# Altium PCB AutoDoor_App.PcbDoc
Units mil, origin at the board's own origin, x right, y up, seen from the top; angles counter-clockwise.
Board outline 5115.51 x 3965.02 mil, 2 copper layers (Top Layer, Bottom Layer); 41 components, 29 nets, 160 pads, 17 vias.
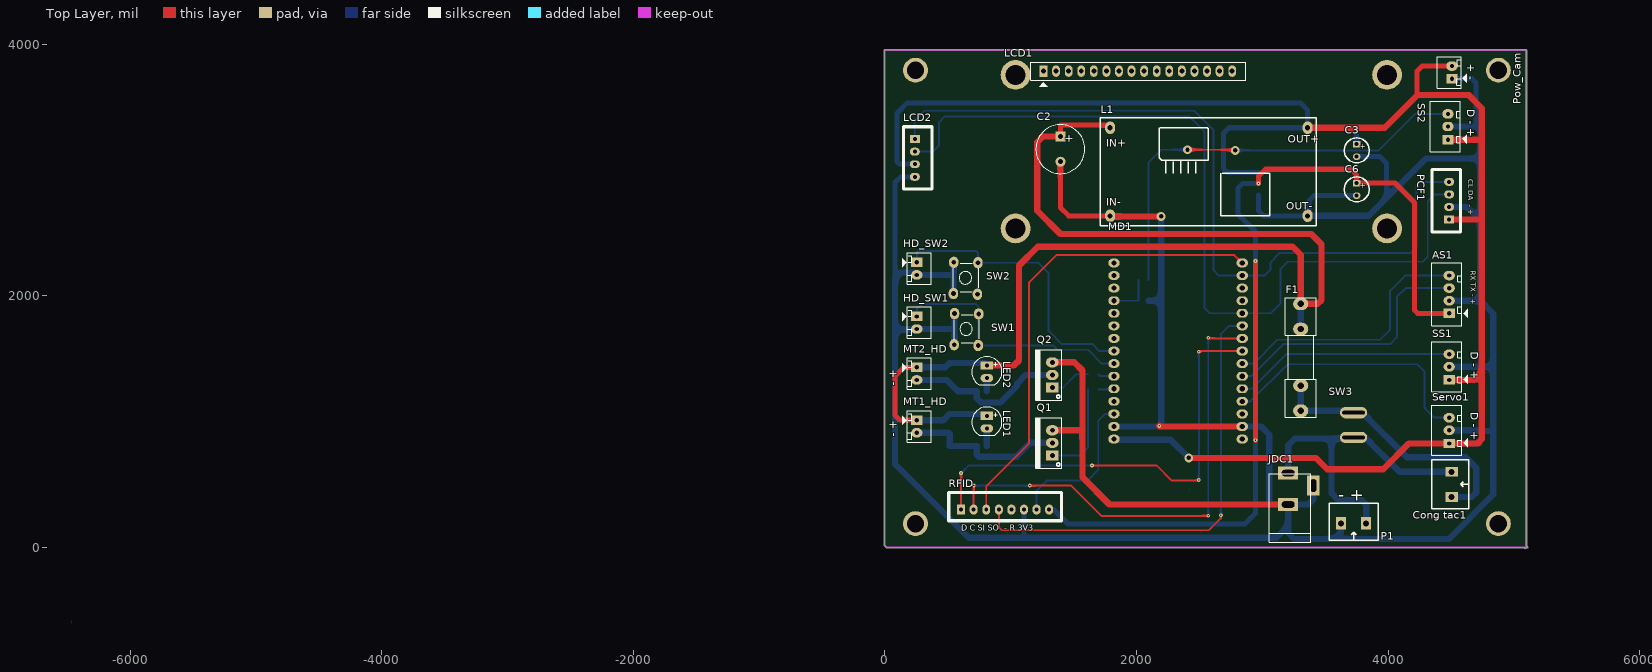
[diagram p0: Top Layer view]
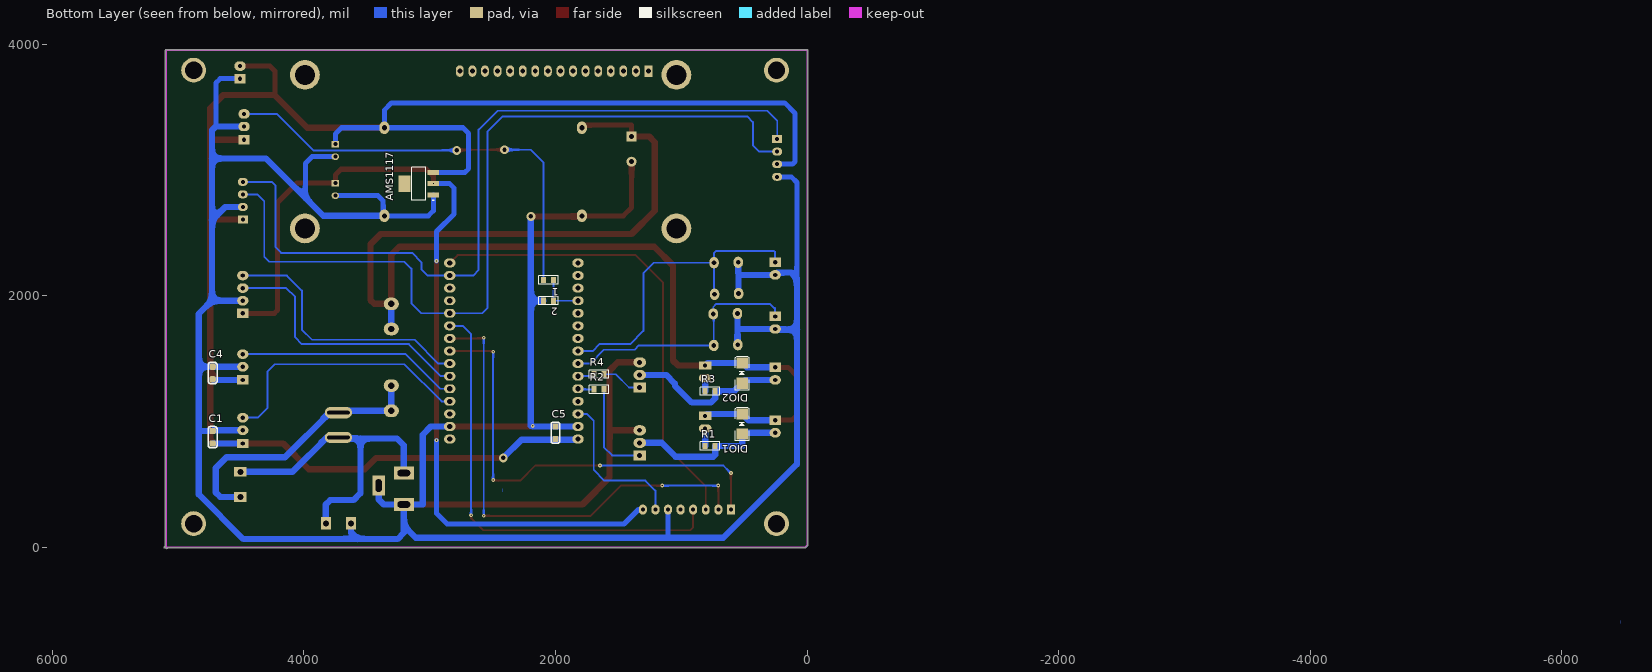
[diagram p1: Bottom Layer view, seen from below]
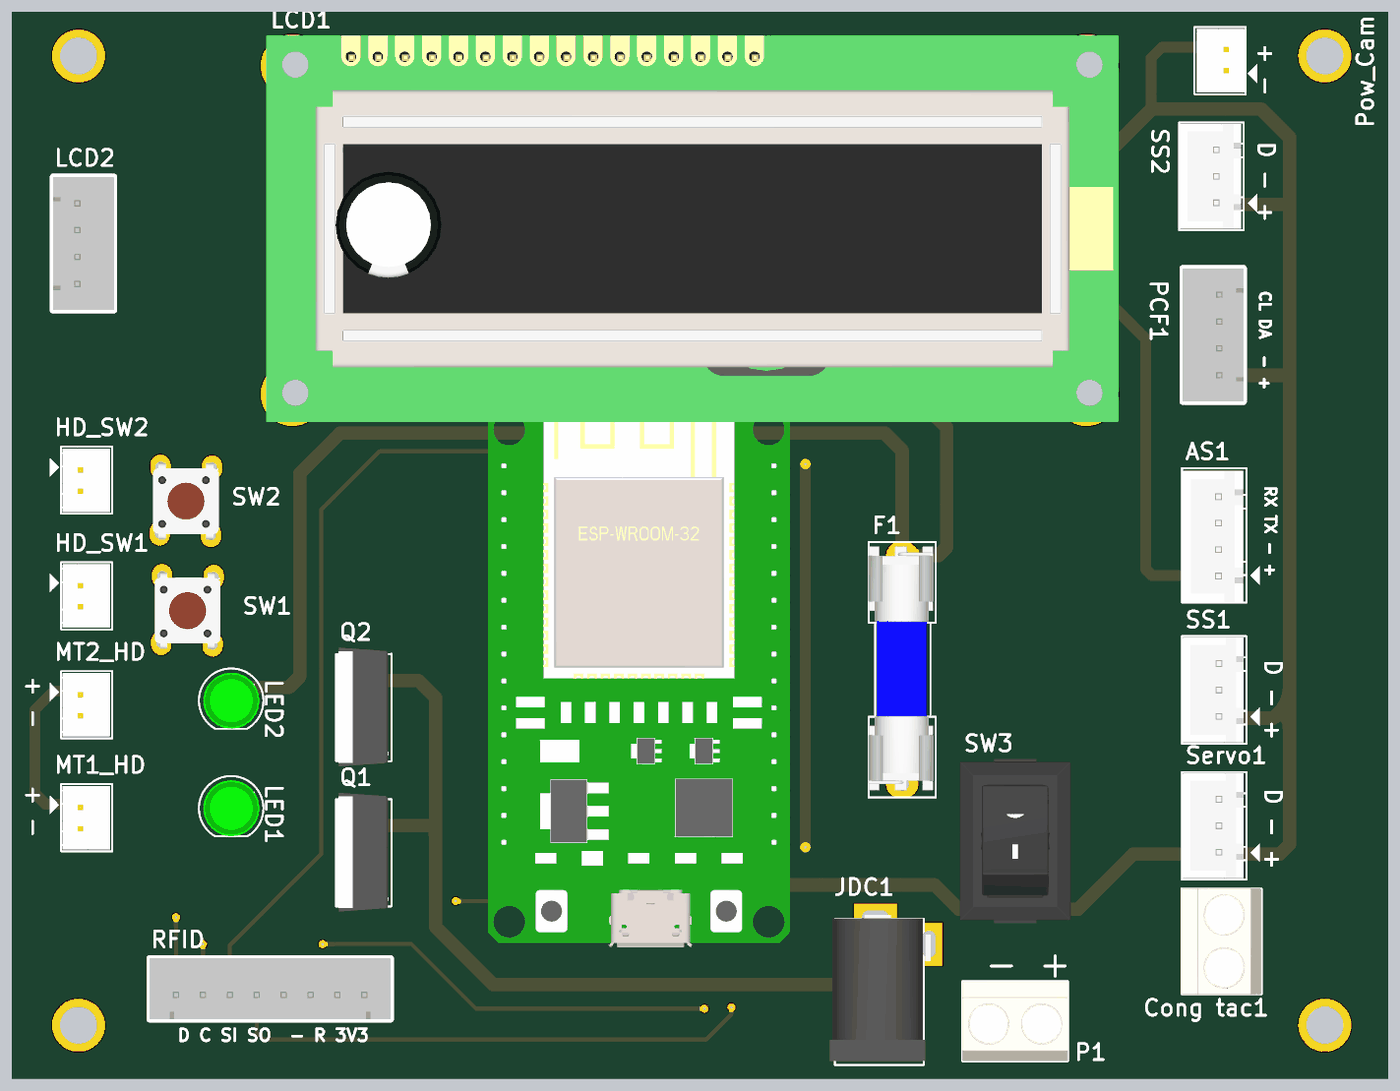
[diagram p2: 3D render of the assembled board from above, using the file's embedded part models]
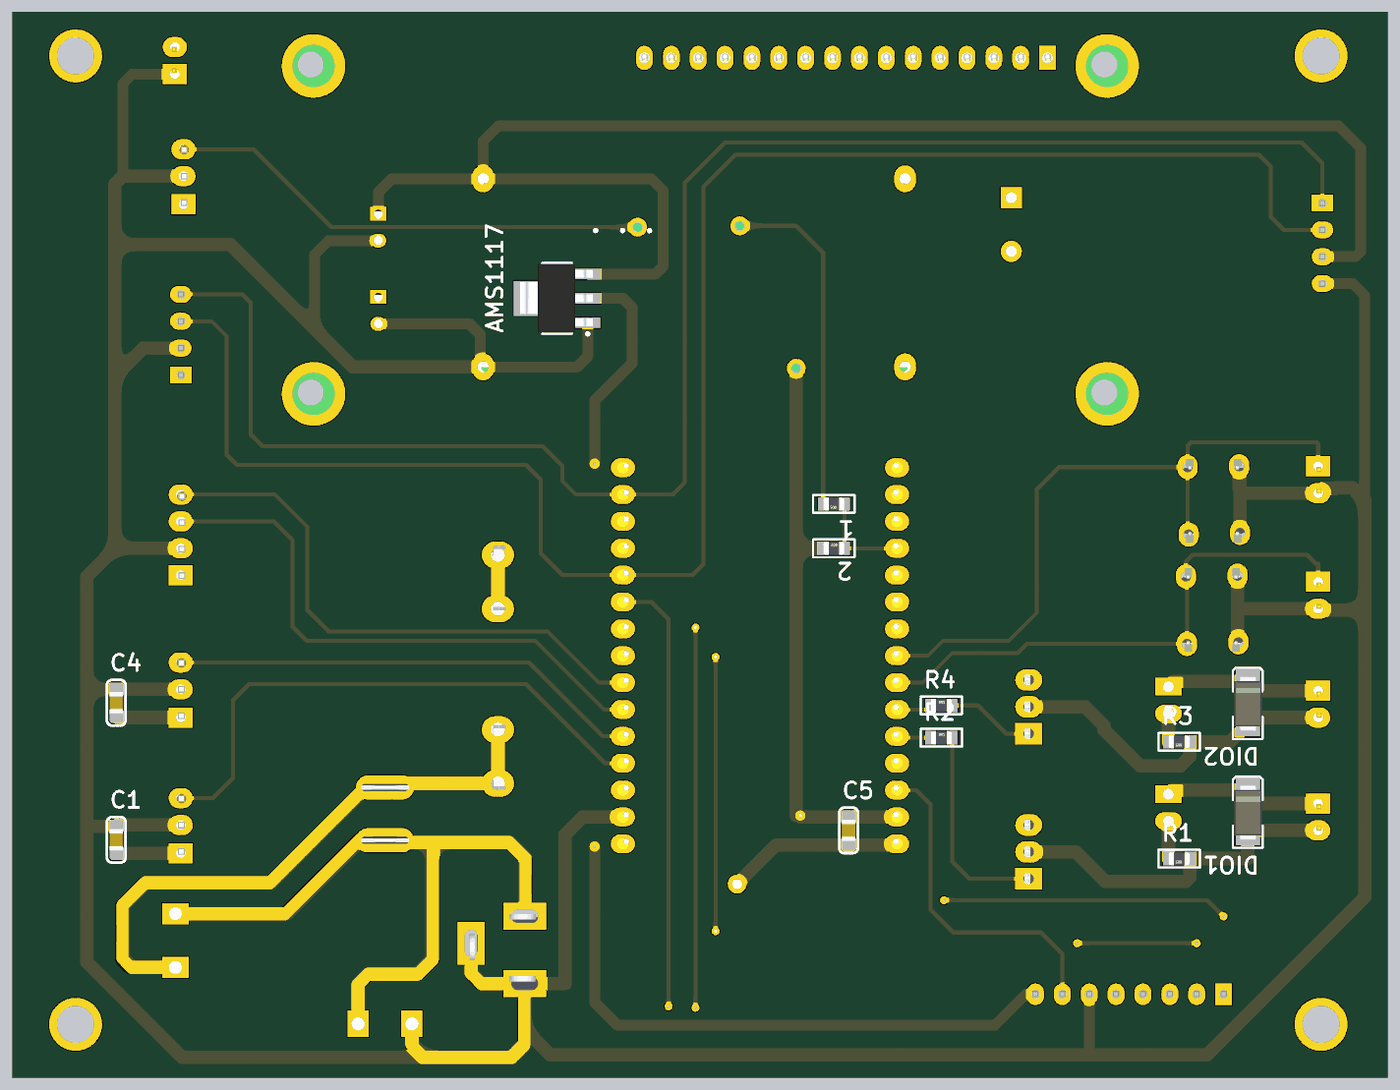
[diagram p3: 3D render of the assembled board from below, using the file's embedded part models]

## Layer stack, top to bottom
Top Solder: solder mask 0.4, Solder Resist, Dk 3.5
Top Layer: signal copper 1.4
Dielectric 1: dielectric 12.6, FR-4, Dk 4.8
Bottom Layer: signal copper 1.4
Bottom Solder: solder mask 0.4, Solder Resist, Dk 3.5

## Board outline
-4.02,11.93 11.45,-3.55 11.44,-3.53 ccw(c15,0) 15,-5.01 5084.99,-5.01 ccw(c5090,-5) 5093.55,-8.55 5097.08,-5.01 5105,-5.01 ccw(c5105,0) 5110.01,0 ccw(c5105,0) 5105,5.01 5100.01,5.01 5100.01,3950 ccw(c5095,3950) 5095,3955.02 0.48,3955.02 ccw(c0.48,3950) 0,3954.99 ccw(c-0.48,3950) -5.49,3950 -5.49,15.48 ccw(c-0.48,15.48)

## Design rules (kind name [scope] priority, off if disabled: settings)
Clearance [All] p1: gap=15 ignorepadtopadclearanceinfootprint=FALSE
PolygonConnect [All] p1: connectstyle=Relief reliefconductorwidth=10 reliefentries=4 polygonreliefangle="90 Angle" airgapwidth=10
RoomDefinition AutoDoor_App [InComponentClass('AutoDoor_App')] p1: confinementstyle=ConfineIn formatcopy=TRUE lockcomponents=FALSE outline -1435,-2043.5 565,-2043.5 565,-1043.5 -1435,-1043.5
RoutingVias [All] p1: holewidth=10 width=30 viastyle="Through Hole" minholewidth=10 minwidth=30 maxholewidth=10 maxwidth=30
SilkToSilkClearance [IsText] p1: silktosilkclearance=10
SolderMaskExpansion [All] p1: expansion=4
Width [All] p1: maxlimit=50 minlimit=15 preferedwidth=40
29 further rules are at their usual default settings.

## Components (designator, comment, footprint, x,y, rotation, side; value= is the part's Value field where it differs from the comment)
1 "2k2" "DIEN TRO 0805" 2055,2125 r180 bottom
2 "3k3" "DIEN TRO 0805" 2055,1960 r0 bottom
AMS1117 "LM1117" SOT223-4N 3085,2890 r0 bottom value=LM317
AS1 "Header4" Header4 4485,1860 r90 top
C1 "approved sub OK" CAP_0805 4725,875 r270 bottom value="104 / 0.1uF"
C2 "1000uF/16V" C10mm 1395,3165 r270 top
C3 "100uF/16v" C5mm 3750,3155 r270 top
C4 "approved sub OK" CAP_0805 4725,1385 r270 bottom value="104 / 0.1uF"
C5 "approved sub OK" CAP_0805 2000,910 r270 bottom value="104 / 0.1uF"
C6 "100uF/16v" C5mm 3750,2845 r270 top
"Cong tac1" "Header 2 - M" "Medium - Header 2" 4505,500 r270 top
DIO1 "M7" DIO-SMD-106 515,980 r270 bottom value=1N5007
DIO2 "M7" DIO-SMD-106 515,1385 r270 bottom value=1N5007
F1 "F3A" Fuse 3305,1510 r90 top value=Fuse
HD_SW1 "Header2" Header2 253,1835 r270 top
HD_SW2 "Header2" Header2 253,2265 r270 top
JDC1 "Jac DC" DC-IN 3305,465 r90 top
L1 "BUCK_LM2596" BUCK_LM2596 2560,3015 r0 top locked
LCD1 "LCD 16x2" LCD16X2N 1260,3785 r0 top locked
LCD2 "Header4" XH2.54M-4 236.98,3245 r270 top
LED1 "LED" "LED-5 GRe" 810,1045 r270 top value="LED 3 ly Single Colour"
LED2 "LED" "LED-5 GRe" 810,1445 r270 top value="LED 3 ly Single Colour"
MD1 "module esp32 30p" "module esp32 30 pin" 2330,1440 r90 top locked
MT1_HD "Header2" Header2 253,1010 r270 top
MT2_HD "Header2" Header2 253,1430 r270 top
P1 "Header 2 - M" "Medium - Header 2" 3725,190 r180 top
PCF1 "Header4" XH2.54M-4 4485,2605 r90 top
Pow_Cam "Header2" Header2 4507,3725 r90 top
Q1 "TIP122" QTO-220 1330,730 r90 top
Q2 "TIP122" QTO-220 1330,1270 r90 top
R1 "3.3K" "DIEN TRO 0805" 770,805 r180 bottom
R2 "1k" "DIEN TRO 0805" 1655,1255 r0 bottom
R3 "3.3K" "DIEN TRO 0805" 770,1240 r180 bottom
R4 "1k" "DIEN TRO 0805" 1655,1375 r0 bottom
RFID "Header 8P 2.54 Duc Thang" XH2.54M-8 605,300 r0 top
Servo1 "Header3" Header3 4485,830 r90 top
SS1 "Header3" Header3 4485,1335 r90 top
SS2 "Header3" Header3 4475,3245 r90 top
SW1 "SW" SW4 550,1610 r90 top value="Button chip 4 pin"
SW2 "SW" SW4 544,2017 r90 top locked value="Button chip 4 pin"
SW3 "KCD01-11_SWITCH" KCD01-11 3724.98,873.14 r180 top locked

## Footprints (in the part's own frame and the unit in brackets; to place one, negate y for a bottom-side part, rotate by r counter-clockwise, add the part's x,y. Pads: shape width x height; smd on the part's side, far side on the other; paste and mask are expansions set on the pad)
BUCK_LM2596 [mil]
  oval 80x100 hole 40: 1(-770,320) 2(-770,-380) 3(800,-380) 4(800,320)
  silkscreen extent -850,-460 870,400, body extent -843,-460 870,367, height 519
C5mm [mm]
  rect 1.3x1.5 hole 0.8: 1(-1.27,0)
  oval 1.3x1.5 hole 0.8: 2(1.27,0)
  silkscreen extent -2.51,-2.51 2.51,2.51, body extent -2.5,-2.5 2.49,2.5, height 11.01
C10mm [mm]
  rect 2x2 hole 1: 1(-2.54,0)
  round 2 hole 1: 2(2.54,0)
  silkscreen extent -4.95,-4.96 4.93,4.92, body extent -5,-5 4.97,5, height 20.01
CAP_0805 [mil]
  rrect50% 50x50 smd: 1(-50,0) 2(50,0)
  silkscreen extent -85,-35 85,35, body extent -40,-25 40,25, height 24
DC-IN [mil] "Jac DC input"
  rect 100x160 hole 50 slot 100 at 90 deg: 1(125,100) 2(-125,100)
  rect 160x100 hole 50 slot 100 at 0 deg: 3(25,-100)
  silkscreen extent -425,-80 120,250, body extent -410,-105 134,269, height 434
"DIEN TRO 0805" [mil] "Chip Resistor; Body 2.0 x 1.3 mm (LxW typ)"
  rect 39.37x50 smd: 1(-40,0) 2(40,0)
  silkscreen extent -77,-33 77,33, body extent -39,-25 39,25, height 31
DIO-SMD-106 [mil]
  rect 90x90.55 smd: 1(80,0) 2(-80,0)
  silkscreen extent -130,-55 135,55, body extent -99,-50 106,52, height 95
Fuse [mil] "De Fuse"
  oval 100x120 hole 50: 1(-425,0) 1(-225,0) 2(225,0) 2(425,0)
  silkscreen extent -475,-125 475,125, body extent -448,-117 459,127, height 378
Header2 [mil] "CON2"
  rect 75x90 hole 34: 1(0,0)
  oval 75x90 hole 34: 2(100,0)
  silkscreen extent -75,-118 175,115, body extent -68,-70 168,107, height 236
Header3 [mil] "CON 3"
  rect 75x90 hole 34: 1(-5,0)
  oval 75x90 hole 34: 2(100,0) 3(200,0)
  silkscreen extent -100,-150 300,140, body extent -95,-90 295,136, height 276
Header4 [mil] "CON4"
  rect 75x90 hole 34: 1(0,0)
  oval 75x90 hole 34: 2(100,0) 3(200,0) 4(300,0)
  silkscreen extent -100,-150 400,140, body extent -98,-88 390,138, height 276
KCD01-11 [mm]
  oval 5.5x2.286 hole 0.7 slot 4.5 at 0 deg: 1(0,0) 2(0,-5)
  body extent -5.25,-7.75 5.25,7.75, height 14.07
LCD16X2N [mil] "LCD dipslay 16x2, 16 pin"
  rect 62x90 hole 39: 1(0,0)
  oval 62x90 hole 39: 2(100,0) 3(200,0) 4(300,0) 5(400,0) 6(500,0) 7(600,0) 8(700,0) 9(800,0) 10(900,0) 11(1000,0) 12(1100,0) 13(1200,0) 14(1300,0) 15(1400,0) 16(1500,0)
  silkscreen extent -100,-125 1608,70, body extent -320,-1353 2850,84, height 764
"LED-5 GRe" [mil] "LED 2 PIN, 5 ly , Only colour,pin to pin 100mil"
  rect 65x100 hole 32: 1(0,0)
  oval 65x100 hole 32: 2(100,0)
  silkscreen extent -70,-120 154,120, body extent -54,-104 154,105, height 337
"Medium - Header 2" [mm]
  rect 2x2.5 hole 1.2: 1(-2.54,0) 2(2.54,0)
  silkscreen extent -4.95,-4.08 4.95,3.43, body extent -5,-4.07 5,3.43, height 10
"module esp32 30 pin" [mil]
  oval 70x90 hole 40.94: 1(-580,-510) 2(-480,-510) 3(-380,-510) 4(-280,-510) 5(-180,-510) 6(-80,-510) 7(20,-510) 8(120,-510) 9(220,-510) 10(320,-510) 11(420,-510) 12(520,-510) 13(620,-510) 14(720,-510) 15(820,-510) 16(-580,510) 17(-480,510) 18(-380,510) 19(-280,510) 20(-180,510) 21(-80,510) 22(20,510) 23(120,510) 24(220,510) 25(320,510) 26(420,510) 27(520,510) 28(620,510) 29(720,510) 30(820,510)
  body extent -979,-562 1049,565, height 375
QTO-220 [mil] "TO-220 - 1-2-3"
  rect 80x100 hole 39: 1(0,0)
  oval 80x100 hole 39: 2(100,0) 3(200,0)
  silkscreen extent -100,-76 300,130, body extent -119,-64 322,121, height 755
SOT223-4N [mm] "SOT223, 4-Leads, Body 6.5x3.5mm, Pitch 2.3mm, Lead Span 7mm, IPC Medium Density"
  rect 2.4x1 smd: 1(-2.9,2.3) 2(-2.9,0) 3(-2.9,-2.3)
  rect 2.4x3.3 smd: 4(2.9,0)
  silkscreen extent -3.02,-3.35 1.4,3.47, body extent -3.39,-3.27 3.5,3.23, height 1.72
SW4 [mil] "SW button 4pin, 250 x250 mil"
  oval 90x75 hole 38: 1(0,0) 2(245,-195) 3(248,-3) 4(-6,-191)
  silkscreen extent 15,-215 240,0, body extent -36,-220 276,24, height 276
XH2.54M-4 [mm]
  rect 1.6x2.032 hole 0.8: 1(0,0)
  oval 1.6x2.032 hole 0.8: 2(2.54,0) 3(5.08,0) 4(7.62,0)
  silkscreen extent -2.48,-2.26 10.1,3.46, body extent -2.48,-2.26 10.1,3.48, height 6.91
XH2.54M-8 [mm]
  rect 1.6x2.032 hole 0.8: 1(0,0)
  oval 1.6x2.032 hole 0.8: 2(2.54,0) 3(5.08,0) 4(7.62,0) 5(10.16,0) 6(12.7,0) 7(15.24,0) 8(17.78,0)
  silkscreen extent -2.48,-2.26 20.26,3.46, body extent -2.48,-2.26 20.26,3.48, height 6.91

## Part data
1 2 R1 R2 R3 R4: library part R0805, "Resistor SMD 0805", LatestRevisionDate=17-Jul-2002, LatestRevisionNote="Re-released for DXP Platform.", PackageReference=AXIAL-0.4, Published=8-Jun-2000, Publisher="Altium Limited"
AMS1117: "3v3"
AS1 LCD2 PCF1: "Header IDC, 4 x 1 Pin Vertical 2.54mm Pitch (Non-Boxed, Male)", Manufacturer="Würth Elektronik eiSos GmbH", partNo=613002143121, ComponentLink1 Description=Manufacturer, ComponentLink1URL=http://www.we-online.com, ComponentLink2 Description=Datasheet, ComponentLink2URL=http://katalog.we-online.de/em/datasheet/6130xx143121.pdf, Created by="Karrer Zheng", Created Date="29 March 2013", NoPins=02
C1 C4 C5: library part "CAP C_0805", "Capacitor SMD Cer 1.8nF 10% 50V X7R 0805", Manufacturer 1="AVX Corporation", Manufacturer Part Number 1=08055C182KAT2A, Operating Temperature="-55癈 ~ 125癈", Package / Case="0805 (2012 metric)", Ratings="50V; X7R", Supplier Part Number 1=478-1374-1-ND, Tolerance=±10%, SCDType=source*, Supplier 1=Digi-Key
C2: library part "Cap Pol 12mm", "Polarized Capacitor (Axial)", LatestRevisionDate=17-Jul-2002, LatestRevisionNote="Re-released for DXP Platform.", PackageReference=POLAR0.8, Published=8-Jun-2000, Publisher="Altium Limited"
C3 C6: library part "Cap Pol 5mm", "Polarized Capacitor (Axial)", LatestRevisionDate=17-Jul-2002, LatestRevisionNote="Re-released for DXP Platform.", PackageReference=POLAR0.8, Published=8-Jun-2000, Publisher="Altium Limited"
"Cong tac1" P1: "Header, 2-Pin, Medium", LatestRevisionDate=17-Jul-2002, LatestRevisionNote="Re-released for DXP Platform.", Publisher="Altium Limited"
DIO1 DIO2: library part "Diode SMD", "Default Diode", Code - JEDEC=DO-214-AB, Published=8-Jun-2000, Publisher="Altium Limited", Revision="July-2002: Re-released for DXP Platform."
F1: library part Fuse, "Fuse", Designed by=VanDungEvn
HD_SW1 HD_SW2 MT1_HD MT2_HD Pow_Cam: "Header IDC, 2 x 1 Pin Vertical 2.54mm Pitch (Non-Boxed, Male)", Manufacturer="Würth Elektronik eiSos GmbH", partNo=613002143121, ComponentLink1 Description=Manufacturer, ComponentLink1URL=http://www.we-online.com, ComponentLink2 Description=Datasheet, ComponentLink2URL=http://katalog.we-online.de/em/datasheet/6130xx143121.pdf, Created by="Karrer Zheng", Created Date="29 March 2013", NoPins=02
JDC1: library part DCIN, "Jac DC input"
LCD1: library part LCD
LED1 LED2: "LED Single colour Green and Red"
Q1 Q2: "Darlington Silicon Power NPN Transistor, 8 Amp, 100 Volts and 65 Watts"
RFID: "C?m", Chung_Loai=C?m, Don_Vi=Con, Ma_Hang=MH003366, Ten_Linh_Kien="Header 8P XH2.54-8P Ð?c Th?ng"
Servo1 SS1 SS2: "Header IDC, 3 x 1 Pin Vertical 2.54mm Pitch (Non-Boxed, Male)", Manufacturer="Würth Elektronik eiSos GmbH", partNo=613002143121, ComponentLink1 Description=Manufacturer, ComponentLink1URL=http://www.we-online.com, ComponentLink2 Description=Datasheet, ComponentLink2URL=http://katalog.we-online.de/em/datasheet/6130xx143121.pdf, Created by="Karrer Zheng", Created Date="29 March 2013", NoPins=02
SW1 SW2: library part SW4, "Switch button 4 pin"
SW3: "Nut Nhan 2 Chan SMD 3x6x2.5", Ma_Hang=MH001036, Ten="N鷗 Nh?n 2 Ch鈔 3x6x2.5MM SMD"

## Free pads (board coordinates)
  round 196.85 hole 137.8: 1(242.48,188.07) 2(242.48,3792.4) 3(4876.34,3792.4) 4(4876.34,188.07)
  round 236.22 hole 157.48: 5(1038.15,3755.15) 6(1038.15,2534.68) 7(3990.91,2534.68) 9(3990.91,3755.15)

## Via types
v1: diameter 30, hole 10, Top Layer to Bottom Layer, 13 vias
v2: diameter 70, hole 35, Top Layer to Bottom Layer, 4 vias

## Nets (pads, with @x,y where several pads share a name; then routed paths per layer and width w, separated by ;. In a path a pad name is that pad's centre, name@x,y a point inside that pad or via, vN(x,y) a via of type N, cw(c..) or ccw(c..) an arc to the next point about the centre after c; other vN are vias at no path point)
3V3: AMS1117.2 AS1.1 C6.1 RFID.8 | length 7157
  Top Layer w40: v1(2945,850) v1(2945,2275) ; v1(2970,2890.83) 2970,2950 3025,3005 3705,3005 3750,2960 C6.1 4055,2895 4210,2740 4210,1885 4235,1860 AS1.1
  Bottom Layer w40: RFID.8 1340,300 1455,185 2860,185 2945,270 v1(2945,850) ; v1(2945,2275) 2945,2510 2805,2650 2805,2855 2840.83,2890.83 v1(2970,2890.83) AMS1117.2
12V: C2.1 DIO1.2 DIO2.2 F1.2 L1.1 LED1.1 LED2.1 MT1_HD.1 MT2_HD.1 | length 10045
  Top Layer w40: MT1_HD.1 120,1010 80,1050 80,1360 150,1430 MT2_HD.1 ; C2.1 1395,3355 1770,3355 L1.1
  Top Layer w50: LED2.1 1025,1445 1065,1485 1065,2240 1215,2390 3240,2390 3305,2325 3305,1935 3440,1935 3470,1965 3470,2410 3390,2490 1395,2490 1210,2675 1210,3220 1255,3265 C2.1
  Bottom Layer w50: MT1_HD.1 465,1010 DIO1.2 795,1060 LED1.1 ; MT2_HD.1 480,1430 DIO2.2 790,1465 LED2.1 ; F1.2@3305,1735 F1.2@3305,1935
GND: 2.2 AMS1117.1 AS1.2 C1.1 C2.2 C3.2 C4.1 C5.1 C6.2 HD_SW1.2 HD_SW2.2 JDC1.2 JDC1.3 L1.2 L1.3 LCD2.4 MD1.2 MD1.17 P1.2 PCF1.2 Pow_Cam.1 Q1.3 Q2.3 RFID.6 Servo1.2 SS1.2 SS2.2 SW1.1 SW1.3 SW2.1 SW2.3 | length 26269.9
  Top Layer w40: C2.2 1395,2700 1460,2635 L1.2
  Top Layer w50: Q1.3 1560,930 1570,920 ; Q2.3 1505,1470 1570,1405 1570,920 ; L1.2 1795,2630 v2(2195,2630) v2@2190,2635 ; v1(2180,965) 2185,960 MD1.2 ; JDC1.2 1785,340 1570,555 1570,920
  Bottom Layer w40: 80,2140 80,2900 125,2945 LCD2.4 ; RFID.6 1105,80 1110,75 ; AMS1117.1 2970.83,2674.17 3010,2635 L1.3 3370,2645 3370,2755 3410,2795 C6.2 ; C3.2 3935,3105 3987.5,3052.5 3987.5,2777.5 ; Pow_Cam.1 4665,3725 4700,3690 4700,3345
  Bottom Layer w50: SW2.1 544,2179 ; SW1.1 553,1613 553,1725 ; SW1.3 553,1725 ; MD1.17 C5.1 v1@2180,960 ; 2.2 2195,1960 ; 2195,965 2195,1960 ; v2(2195,2630) 2195,1960 ; MD1.2 2990,960 3055,895 3055,340 JDC1.2 ; L1.3 3845,2635 3987.5,2777.5 4300,3090 4730,3090 ; JDC1.3 3405,380 3365,340 JDC1.2 ; P1.2 3625,115 3575,65 ; SS2.2 4700,3345 4730,3315 4730,3090 ; Servo1.2 4720,930 C1.1 4825,925 4835,935 ; SS1.2 C4.1 4835,1435 ; AS1.2 4730,1960 ; PCF1.2 4625,2705 4730,2600 ; 80,1730 80,660 665,75 1110,75 3110,75 3205,170 ; 80,1730 80,2140 125,2185 186.86,2185 186.86,2182.5 235.5,2182.5 HD_SW2.2 530,2165 544,2179 ; 80,1730 248,1730 HD_SW1.2 543,1735 553,1725 ; 544,2179 547,2182 SW2.3 544,2262 544,2179 ; 3205,170 3205,115 3255,65 3575,65 ; 3205,170 JDC1.2 ; 3575,65 4480,65 4835,420 4835,935 ; 4730,1960 4730,2600 ; 4730,1960 4835,1855 4835,1435 ; 4730,2600 4730,3090 ; 4835,935 4835,1435
LCD_SCL: LCD2.1 MD1.14 PCF1.4 | length 6250.9
  Bottom Layer w15: LCD2.1 236.98,3391.98 315,3470 2460,3470 2610,3320 2610,2205 2655,2160 MD1.14 3015,2160 3065,2210 3065,2265 3140,2340 4180,2340 4225,2385 4225,2875 4255,2905 PCF1.4
LCD_SDA: LCD2.2 MD1.11 PCF1.3 | length 6753.9
  Bottom Layer w15: LCD2.2 380,3145 430,3195 430,3380 475,3425 2420,3425 2540,3305 2540,1900 2580,1860 MD1.11 3065,1860 3145,1940 3145,2215 3200,2270 4275,2270 4315,2310 4315,2750 4370,2805 PCF1.3
MISO: MD1.10 RFID.4 | length 3616.6
  Top Layer w15: RFID.4 905,160 930,135 2575,135 2670,230 v1(2670,255)
  Bottom Layer w15: v1(2670,255) 2670,1695 2735,1760 MD1.10
MOSI: MD1.15 RFID.3 | length 3756.8
  Top Layer w15: RFID.3 805,485 1145,825 1145,2105 1362.5,2322.5 2777.5,2322.5 MD1.15
MT1: MD1.20 R2.2 | length 127.1
  Bottom Layer w15: R2.2 1815,1255 MD1.20
MT2: MD1.21 R4.2 | length 131.2
  Bottom Layer w15: R4.2 1710,1360 MD1.21
Net1_1: 1.1 SS2.3 | length 3481.5
  Top Layer w15: v2(2405,3160) 2785,3160 v2(2785,3155)
  Bottom Layer w15: 1.1 2095,3060 2195,3160 v2(2405,3160) ; v2(2785,3155) 3925,3155 4215,3445 SS2.3
"NetCong tac1_1": "Cong tac1.1" JDC1.1 P1.1 SW3.1 | length 2558.1
  Bottom Layer w50: JDC1.1 3205,810 3260,865 3550,865 ; P1.1 3825,340 3790,375 3605,375 3550,430 3550,865 ; 4505,600 4090,600 3815,875 3795.03,875 3785.03,865 3550,865
"NetCong tac1_2": "Cong tac1.2" F1.1 SW3.2 | length 2111.8
  Bottom Layer w50: F1.1@3305,1285 3305,1085 SW3.2@3655,1085 ; SW3.2 3795,1070 4150,715 4615,715 4700,630 4700,435 4665,400 4505,400
NetDIO1_1: DIO1.1 MT1_HD.2 Q1.2 R1.2 | length 1297.9
  Bottom Layer w50: MT1_HD.2 505,910 DIO1.1 515,805 R1.2 730,735 745,720 1045,720 1155,830 Q1.2
NetDIO2_1: DIO2.1 MT2_HD.2 Q2.2 R3.2 | length 1283.7
  Bottom Layer w50: MT2_HD.2 490,1330 DIO2.1 580,1240 R3.2 730,1185 765,1150 915,1150 1050,1285 1050,1300 1120,1370 Q2.2
NetLED1_2: LED1.2 R1.1 | length 140
  Bottom Layer w50: R1.1 LED1.2
NetLED2_2: LED2.2 R3.1 | length 105
  Bottom Layer w50: R3.1 LED2.2
NetQ1_1: Q1.1 R2.1 | length 771.9
  Bottom Layer w15: Q1.1 1550,730 1615,795 R2.1
NetQ2_1: Q2.1 R4.1 | length 328.5
  Bottom Layer w15: Q2.1 1415,1270 1520,1375 R4.1
RST: MD1.18 RFID.7 | length 1246.1
  Bottom Layer w15: RFID.7 1205,450 1285,530 1610,530 1695,615 1695,1005 1750,1060 MD1.18
RX_AS608: AS1.4 MD1.7 | length 2116.5
  Bottom Layer w15: MD1.7 2930,1460 3120,1650 3935,1650 4015,1730 4015,2040 4135,2160 AS1.4
SCK: MD1.9 RFID.2 | length 3841.5
  Top Layer w15: RFID.2 v1(705,490) ; v1(1150,490) 1480,490 1720,250 v1(2570,250) ; v1(2570,1665) 2575,1660 MD1.9
  Bottom Layer w15: v1(705,490) v1(1150,490) ; v1(2570,250) v1(2570,1665)
SDA: MD1.8 RFID.1 | length 3623.7
  Top Layer w15: RFID.1 v1(605,590) ; v1(1645,650) 2160,650 2280,530 2490,530 v1(2495,535) ; v1(2495,1555) 2500,1560 MD1.8
  Bottom Layer w15: v1(605,590) 665,650 v1(1645,650) ; v1(2495,535) v1(2495,1555)
Servo: MD1.4 Servo1.3 | length 2113.1
  Bottom Layer w15: MD1.4 2905,1160 3200,1455 4230,1455 4290,1395 4290,1105 4365,1030 Servo1.3
SS1: MD1.5 SS1.3 | length 1758.9
  Bottom Layer w15: MD1.5 2915,1260 3190,1535 SS1.3
SS2: 1.2 2.1 MD1.27 | length 360
  Bottom Layer w15: MD1.27 2.1 1.2
SW1: HD_SW1.1 MD1.22 SW1.2 SW1.4 | length 2029.9
  Bottom Layer w15: HD_SW1.1 253,1903 263,1903 295,1935 720,1935 745,1910 SW1.2 741,1851 SW1.4 1336,1604 1370,1570 1615,1570 1725,1460 MD1.22
SW2: HD_SW2.1 MD1.23 SW2.2 SW2.4 | length 2550.6
  Bottom Layer w15: HD_SW2.1 253,2348 260,2355 725,2355 739,2341 SW2.2 ; SW2.4 739,2015 SW2.2 ; MD1.23 1705,1560 1650,1615 1405,1615 1300,1720 1300,2180 1218,2262 SW2.2
TX_AS608: AS1.3 MD1.6 | length 2122.4
  Bottom Layer w15: MD1.6 2910,1360 3165,1615 4015,1615 4070,1670 4070,1990 4140,2060 AS1.3
VCC: AMS1117.3 C1.2 C3.1 C4.2 C5.2 L1.4 LCD2.3 MD1.16 PCF1.1 Pow_Cam.2 Servo1.1 SS1.1 SS2.1 | length 14829.1
  Top Layer w40: 4230,3592.04 4230,3595 4230,3785 4270,3825 Pow_Cam.2
  Top Layer w50: v2(2415,710) 3425,710 3515,620 3960,620 4165,825 Servo1.1 4710,825 4745,860 4745,1390 ; L1.4 3972.96,3335 4230,3592.04 ; 4230,3595 4640,3595 4745,3490 4745,3245 ; SS2.1 4740,3240 4745,3245 ; SS1.1 4685,1330 4745,1390 ; PCF1.1 4735,2605 4745,2595 ; 4745,1390 4745,2595 ; 4745,2595 4745,3245
  Bottom Layer w40: LCD2.3 115,3045 95,3065 95,3450 177.5,3532.5 3302.5,3532.5 3360,3475 L1.4 ; AMS1117.3 2719.45,2980.55 2690,3010 2690,3290 2735,3335 L1.4 ; C3.1 3750,3285 3700,3335 L1.4
  Bottom Layer w50: MD1.16 1825,855 2270,855 v2(2415,710) ; Servo1.1 C1.2 ; SS1.1 4720,1330 C4.2
pads on no net: AMS1117.4 LCD1.1 LCD1.2 LCD1.3 LCD1.4 LCD1.5 LCD1.6 LCD1.7 LCD1.8 LCD1.9 LCD1.10 LCD1.11 LCD1.12 LCD1.13 LCD1.14 LCD1.15 LCD1.16 MD1.1 MD1.3 MD1.12 MD1.13 MD1.19 MD1.24 MD1.25 MD1.26 MD1.28 MD1.29 MD1.30 RFID.5

## Keep-outs
Keep-Out Layer:
  lines w10: -0.48,3950 -0.48,450.48 -0.48,215 ; 0,215 -0.48,215 ; 0.48,3950 260,3950 ; 215,0 315,0 ; 230,3950 5095,3950 5095,285 5095,0 5090,-5 ; 245,0 460,0 ; 260,0 15,0 -0.48,15.48 -0.48,215 ; 450,0 5105,0

## Silkscreen, mask and mechanical layers (free items; w line width, h text height)
Top Overlay:
  text "+ -" at 4630,3845 h60 r270
  text "D - +" at 4630,3480 h60 r270
  text "CL DA  - +" at 4635,2925 h40 r270
  text "RX TX - +" at 4655,2200 h40 r270
  text "D - +" at 4655,1555 h60 r270
  text "- +" at 95,1285 h60 r90
  text "D - +" at 4655,1075 h60 r270
  text "- +" at 95,880 h60 r90
  text "- +" at 3605,370 h100
  text "D C SI SO  - R 3V3" at 605,130 h45
Bottom Solder:
  lines w50: 3195,340 3370,340 3405,375 3405,490 ; 3200,585 3210,585 ; 3200,595 3200,800 3265,865 3540,865 ; 3210,345 3210,110 3255,65 3585,65 3625,105 3625,180 ; 3295,1285 3305,1275 3305,1095 3315,1085 3755,1085 3760,1080 3790,1080 4155,715 4620,715 4705,630 4705,430 4675,400 4505,400 ; 3305,1735 3305,1915 ; 3715,875 3705,865 3540,865 ; 3770,875 3825,875 4100,600 4505,600 ; 3825,190 3825,335 3785,375 3600,375 3545,430 3545,860 3540,865

## Text inside footprints (layer, text, board x,y; h text height)
C2: Top Overlay "+" at 1435,3285 h60 r270
C3: Top Overlay "+" at 3783,3210 h47.24 r270
C6: Top Overlay "+" at 3783,2900 h47.24 r270
L1: Top Overlay "IN+" at 1760,3185 h60; Top Overlay "IN-" at 1760,2715 h60; Top Overlay "OUT+" at 3200,3215 h60; Top Overlay "OUT-" at 3190,2685 h60